# KiCad board DIP8breakout+potToUSB.kicad_pcb (continued)
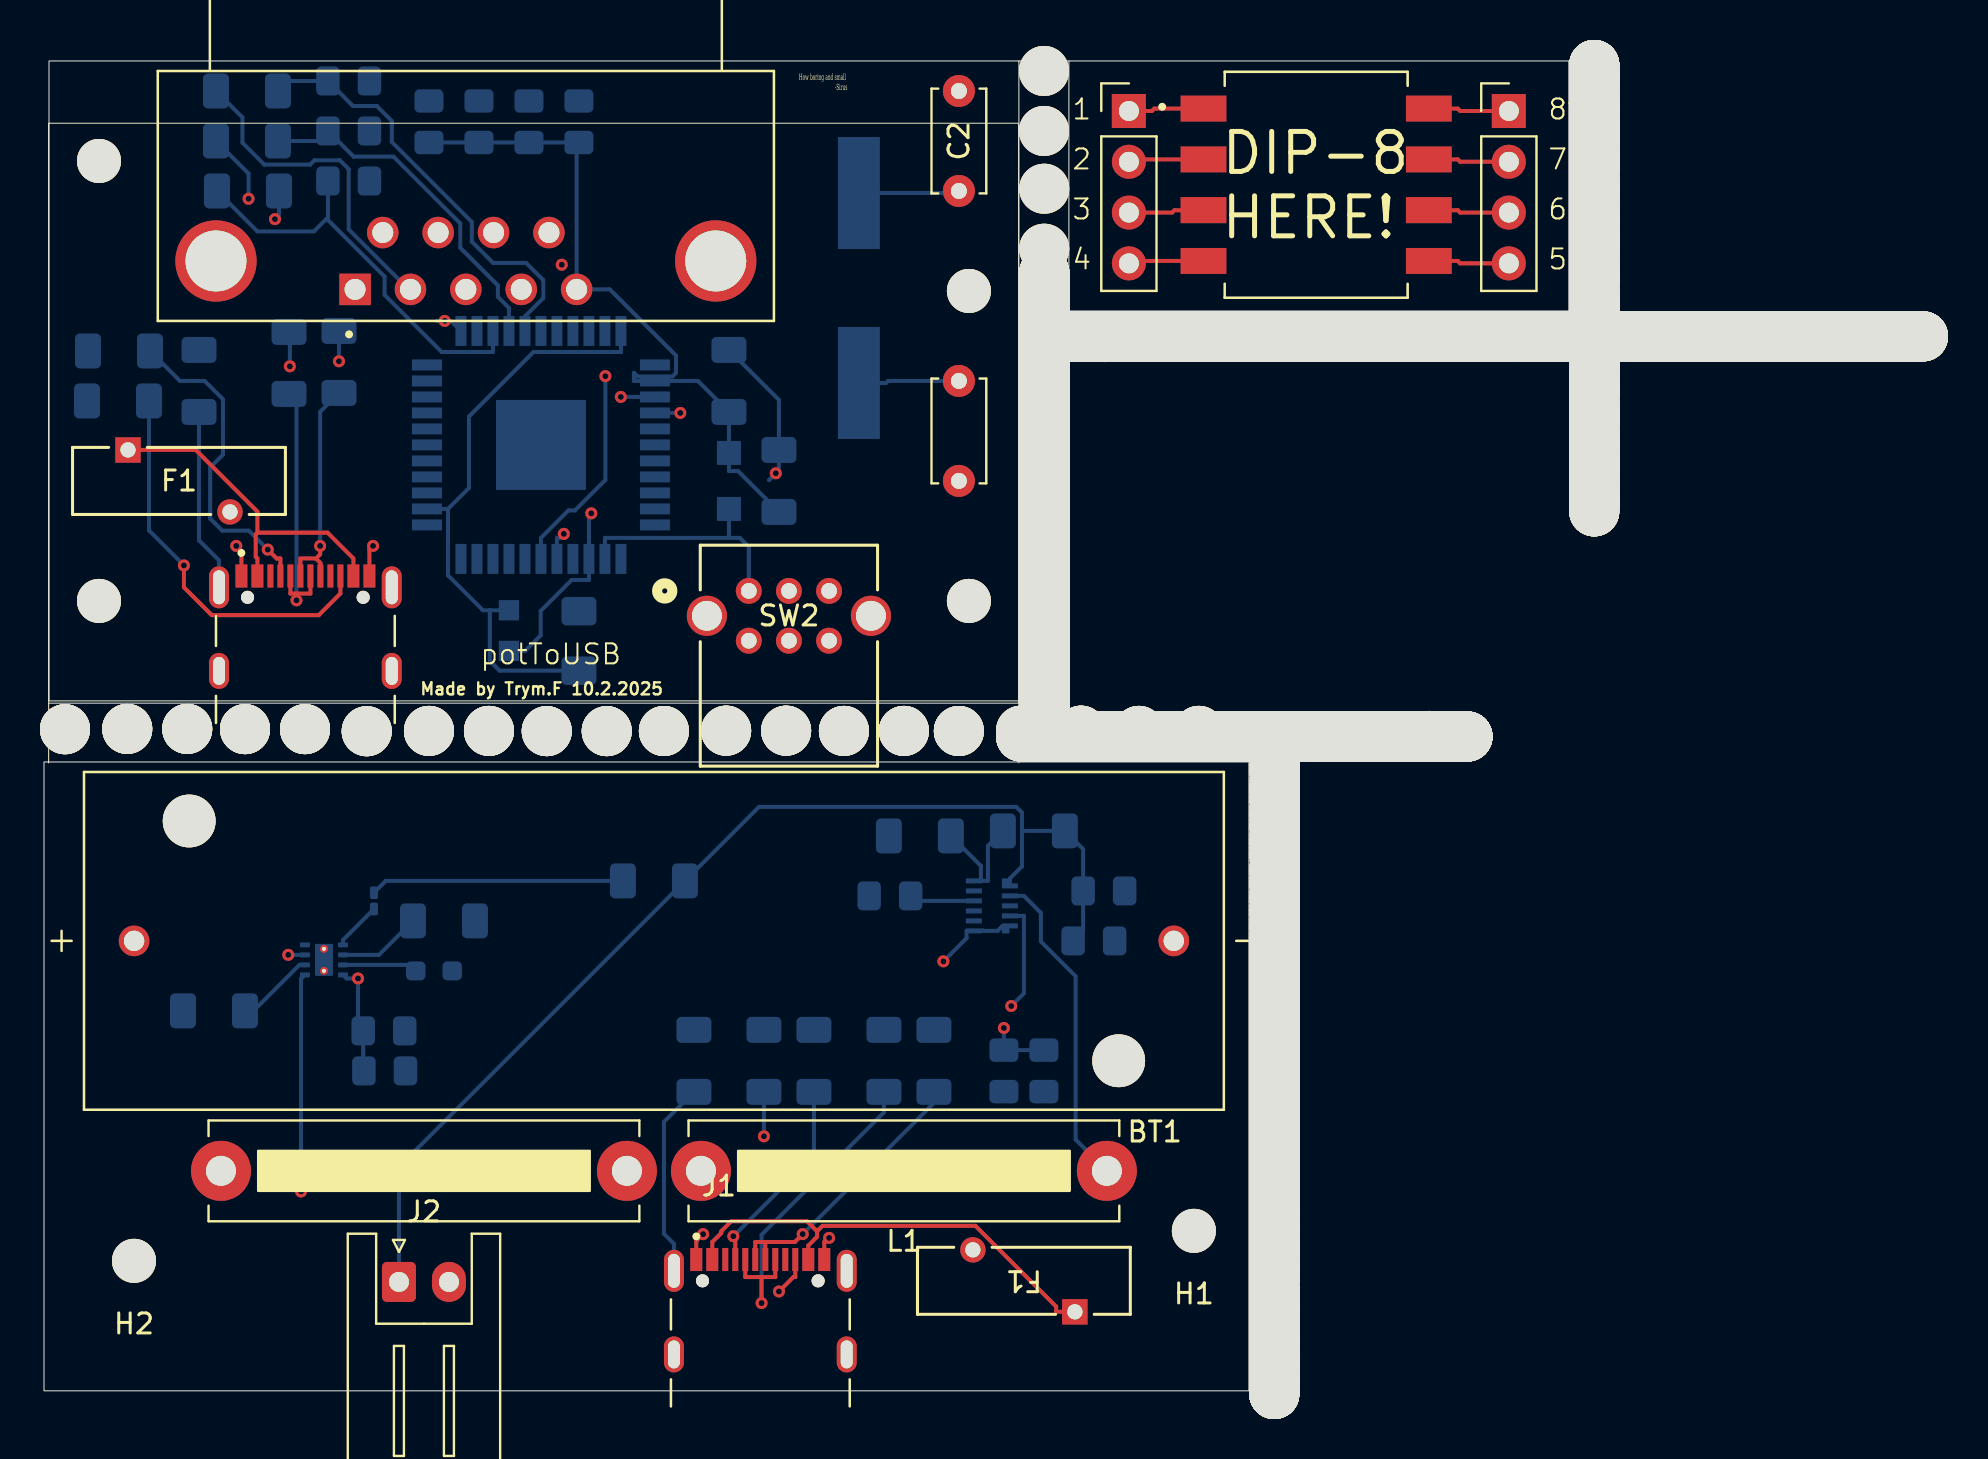
[diagram p0: board, top side]
## Placement (name value [footprint] x y rotation side) (continued)
NOREF#1643  -  [unnamed]  58.52 32.72 0 top
NOREF#1644  -  [unnamed]  71.38 52.73 180 top
NOREF#1645  -  [unnamed]  75.26 52.73 180 top
NOREF#1646  -  [unnamed]  61.55 13.23 90 top
NOREF#1647  -  [unnamed]  77.52 61.54 90 top
NOREF#1648  -  [unnamed]  61.52 12.7 270 top
NOREF#1649  -  [unnamed]  86.52 52.73 180 top
NOREF#1650  -  [unnamed]  88.74 52.73 180 top
NOREF#1651  -  [unnamed]  51.78 52.73 180 top
NOREF#1652  -  [unnamed]  67.82 32.72 0 top
NOREF#1653  -  [unnamed]  61.52 1.24 270 top
NOREF#1654  -  [unnamed]  88.12 52.73 180 top
NOREF#1655  -  [unnamed]  50.02 49.87 90 top
NOREF#1656  -  [unnamed]  76.66 52.73 180 top
NOREF#1657  -  [unnamed]  77.52 57.04 90 top
NOREF#1658  -  [unnamed]  74.6 52.73 180 top
NOREF#1659  -  [unnamed]  61.55 18.41 90 top
NOREF#1660  -  [unnamed]  64.64 52.73 180 top
NOREF#1661  -  [unnamed]  77.48 52.73 180 top
NOREF#1662  -  [unnamed]  61.52 19.9 270 top
NOREF#1663  -  [unnamed]  50.02 50.27 90 top
NOREF#1664  -  [unnamed]  77.52 52.58 90 top
NOREF#1665  -  [unnamed]  77.52 52.58 90 top
NOREF#1666  -  [unnamed]  92.7 52.73 180 top
NOREF#1667  -  [unnamed]  61.55 24.03 90 top
NOREF#1668  -  [unnamed]  61.52 0.9 270 top
NOREF#1669  -  [unnamed]  73.24 52.73 180 top
NOREF#1670  -  [unnamed]  82.3 52.73 180 top
NOREF#1671  -  [unnamed]  71.84 52.73 180 top
NOREF#1672  -  [unnamed]  73.44 52.73 180 top
NOREF#1673  -  [unnamed]  77.52 61.28 90 top
NOREF#1674  -  [unnamed]  50.02 50.89 90 top
NOREF#1675  -  [unnamed]  77.52 62.48 90 top
NOREF#1676  -  [unnamed]  88.94 52.73 180 top
NOREF#1677  -  [unnamed]  50.02 37.41 90 top
NOREF#1678  -  [unnamed]  77.52 63.14 90 top
NOREF#1679  -  [unnamed]  69.12 32.72 0 top
NOREF#1680  -  [unnamed]  61.52 1.44 270 top
NOREF#1681  -  [unnamed]  68.42 52.73 180 top
NOREF#1682  -  [unnamed]  57.66 32.72 0 top
NOREF#1683  -  [unnamed]  87.46 52.73 180 top
NOREF#1684  -  [unnamed]  92.9 52.73 180 top
NOREF#1685  -  [unnamed]  61.55 13.23 90 top
NOREF#1686  -  [unnamed]  61.52 7.08 270 top
NOREF#1687  -  [unnamed]  61.92 32.72 0 top
NOREF#1688  -  [unnamed]  61.55 30.33 90 top
NOREF#1689  -  [unnamed]  65.54 32.72 0 top
NOREF#1690  -  [unnamed]  61.55 31.07 90 top
NOREF#1691  -  [unnamed]  75.46 52.73 180 top
NOREF#1692  -  [unnamed]  61.52 10.7 270 top
NOREF#1693  -  [unnamed]  69.58 32.72 0 top
NOREF#1694  -  [unnamed]  61.55 20.67 90 top
NOREF#1695  -  [unnamed]  61.55 24.03 90 top
NOREF#1696  -  [unnamed]  82.04 52.73 180 top
NOREF#1697  -  [unnamed]  61.55 16.85 90 top
NOREF#1698  -  [unnamed]  61.58 52.73 180 top
NOREF#1699  -  [unnamed]  61.52 8.9 270 top
NOREF#1700  -  [unnamed]  61.52 2.1 270 top
NOREF#1701  -  [unnamed]  61.52 9.84 270 top
NOREF#1702  -  [unnamed]  62.58 32.72 0 top
NOREF#1703  -  [unnamed]  66.74 52.73 180 top
NOREF#1704  -  [unnamed]  77.52 63.84 90 top
NOREF#1705  -  [unnamed]  63.98 52.73 180 top
NOREF#1706  -  [unnamed]  77.52 54.18 90 top
NOREF#1707  -  [unnamed]  69.58 32.72 0 top
NOREF#1708  -  [unnamed]  87.92 52.73 180 top
NOREF#1709  -  [unnamed]  77.52 49.2 90 top
NOREF#1710  -  [unnamed]  48.86 32.72 0 top
NOREF#1711  -  [unnamed]  56.1 32.72 0 top
NOREF#1712  -  [unnamed]  50.02 44.45 90 top
NOREF#1713  -  [unnamed]  75.8 52.73 180 top
NOREF#1714  -  [unnamed]  61.52 4.4 270 top
NOREF#1715  -  [unnamed]  61.55 17.71 90 top
NOREF#1716  -  [unnamed]  50.02 33.99 90 top
NOREF#1717  -  [unnamed]  80.04 52.73 180 top
NOREF#1718  -  [unnamed]  77.52 62.68 90 top
NOREF#1719  -  [unnamed]  50.02 43.79 90 top
NOREF#1720  -  [unnamed]  84.5 52.73 180 top
NOREF#1721  -  [unnamed]  50.02 35.19 90 top
NOREF#1722  -  [unnamed]  77.52 46.94 90 top
NOREF#1723  -  [unnamed]  62.58 52.73 180 top
NOREF#1724  -  [unnamed]  61.52 11.5 270 top
NOREF#1725  -  [unnamed]  50.02 45.91 90 top
NOREF#1726  -  [unnamed]  58.16 52.73 180 top
NOREF#1727  -  [unnamed]  65.34 32.72 0 top
NOREF#1728  -  [unnamed]  77.52 53.64 90 top
NOREF#1729  -  [unnamed]  61.55 23.33 90 top
NOREF#1730  -  [unnamed]  61.55 28.31 90 top
NOREF#1731  -  [unnamed]  77.52 57.04 90 top
NOREF#1732  -  [unnamed]  54.74 52.73 180 top
NOREF#1733  -  [unnamed]  61.55 16.85 90 top
NOREF#1734  -  [unnamed]  50.02 41.29 90 top
NOREF#1735  -  [unnamed]  84.5 52.73 180 top
NOREF#1736  -  [unnamed]  61.52 21.1 270 top
NOREF#1737  -  [unnamed]  77.52 62.28 90 top
NOREF#1738  -  [unnamed]  74.8 52.73 180 top
NOREF#1739  -  [unnamed]  61.52 15.46 270 top
NOREF#1740  -  [unnamed]  82.9 52.73 180 top
NOREF#1741  -  [unnamed]  50.02 48.87 90 top
NOREF#1742  -  [unnamed]  54.9 32.72 0 top
NOREF#1743  -  [unnamed]  77.52 61.94 90 top
NOREF#1744  -  [unnamed]  67.82 32.72 0 top
NOREF#1745  -  [unnamed]  90.34 52.73 180 top
NOREF#1746  -  [unnamed]  61.55 10.27 90 top
NOREF#1747  -  [unnamed]  50.02 51.15 90 top
NOREF#1748  -  [unnamed]  77.52 52.08 90 top
NOREF#1749  -  [unnamed]  58.56 52.73 180 top
NOREF#1750  -  [unnamed]  50.02 47.11 90 top
NOREF#1751  -  [unnamed]  63.94 32.72 0 top
NOREF#1752  -  [unnamed]  85.86 52.73 180 top
NOREF#1753  -  [unnamed]  50.02 48.01 90 top
NOREF#1754  -  [unnamed]  50.02 52.09 90 top
NOREF#1755  -  [unnamed]  77.52 50.88 90 top
NOREF#1756  -  [unnamed]  50.02 51.55 90 top
NOREF#1757  -  [unnamed]  81.1 52.73 180 top
NOREF#1758  -  [unnamed]  61.52 19.2 270 top
NOREF#1759  -  [unnamed]  60.78 32.72 0 top
NOREF#1760  -  [unnamed]  77.52 45.24 90 top
NOREF#1761  -  [unnamed]  50.66 32.72 0 top
NOREF#1762  -  [unnamed]  64.18 52.73 180 top
NOREF#1763  -  [unnamed]  67.6 52.73 180 top
NOREF#1764  -  [unnamed]  73.04 52.73 180 top
NOREF#1765  -  [unnamed]  76.66 52.73 180 top
NOREF#1766  -  [unnamed]  61.52 14.72 270 top
NOREF#1767  -  [unnamed]  61.55 30.33 90 top
NOREF#1768  -  [unnamed]  58.86 32.72 0 top
NOREF#1769  -  [unnamed]  70.02 52.73 180 top
NOREF#1770  -  [unnamed]  61.52 1.64 270 top
NOREF#1771  -  [unnamed]  77.52 61.94 90 top
NOREF#1772  -  [unnamed]  61.18 32.72 0 top
NOREF#1773  -  [unnamed]  77.52 58.66 90 top
NOREF#1774  -  [unnamed]  49.92 32.72 0 top
NOREF#1775  -  [unnamed]  63.08 32.72 0 top
NOREF#1776  -  [unnamed]  53.42 32.72 0 top
NOREF#1777  -  [unnamed]  61.55 10.21 90 top
NOREF#1778  -  [unnamed]  50.02 43.59 90 top
NOREF#1779  -  [unnamed]  65.76 32.72 0 top
NOREF#1780  -  [unnamed]  61.52 4.86 270 top
NOREF#1781  -  [unnamed]  61.55 22.67 90 top
NOREF#1782  -  [unnamed]  50.02 51.55 90 top
NOREF#1783  -  [unnamed]  77.52 62.88 90 top
NOREF#1784  -  [unnamed]  63.98 52.73 180 top
NOREF#1785  -  [unnamed]  51.12 52.73 180 top
NOREF#1786  -  [unnamed]  61.52 4.2 270 top
NOREF#1787  -  [unnamed]  60.32 32.72 0 top
NOREF#1788  -  [unnamed]  50.02 39.89 90 top
NOREF#1789  -  [unnamed]  77.52 56.64 90 top
NOREF#1790  -  [unnamed]  61.52 2.1 270 top
NOREF#1791  -  [unnamed]  58.36 52.73 180 top
NOREF#1792  -  [unnamed]  61.52 10.3 270 top
NOREF#1793  -  [unnamed]  50.02 39.63 90 top
NOREF#1794  -  [unnamed]  52.02 32.72 0 top
NOREF#1795  -  [unnamed]  57.86 32.72 0 top
NOREF#1796  -  [unnamed]  69.12 32.72 0 top
NOREF#1797  -  [unnamed]  71.84 52.73 180 top
NOREF#1798  -  [unnamed]  61.92 32.72 0 top
NOREF#1799  -  [unnamed]  68.22 32.72 0 top
NOREF#1800  -  [unnamed]  61.52 5.48 270 top
NOREF#1801  -  [unnamed]  61.55 28.31 90 top
NOREF#1802  -  [unnamed]  50.02 46.65 90 top
NOREF#1803  -  [unnamed]  77.52 50.22 90 top
NOREF#1804  -  [unnamed]  61.52 9.3 270 top
NOREF#1805  -  [unnamed]  50.02 50.69 90 top
NOREF#1806  -  [unnamed]  61.52 16.94 270 top
NOREF#1807  -  [unnamed]  61.52 10.24 270 top
NOREF#1808  -  [unnamed]  70.78 32.72 0 top
NOREF#1809  -  [unnamed]  50.02 38.35 90 top
NOREF#1810  -  [unnamed]  50.02 44.45 90 top
NOREF#1811  -  [unnamed]  77.52 58.86 90 top
NOREF#1812  -  [unnamed]  52.52 52.73 180 top
NOREF#1813  -  [unnamed]  64.84 52.73 180 top
NOREF#1814  -  [unnamed]  61.55 24.03 90 top
NOREF#1815  -  [unnamed]  78.68 52.73 180 top
NOREF#1816  -  [unnamed]  54.08 32.72 0 top
NOREF#1817  -  [unnamed]  71.84 52.73 180 top
NOREF#1818  -  [unnamed]  61.52 10.5 270 top
NOREF#1819  -  [unnamed]  61.52 21.76 270 top
NOREF#1820  -  [unnamed]  57.16 52.73 180 top
NOREF#1821  -  [unnamed]  50.02 39.01 90 top
NOREF#1822  -  [unnamed]  77.52 66.3 90 top
NOREF#1823  -  [unnamed]  50.02 34.85 90 top
NOREF#1824  -  [unnamed]  61.55 24.69 90 top
NOREF#1825  -  [unnamed]  77.52 44.18 90 top
NOREF#1826  -  [unnamed]  57.66 32.72 0 top
NOREF#1827  -  [unnamed]  77.52 63.14 90 top
NOREF#1828  -  [unnamed]  50.02 54.31 90 top
NOREF#1829  -  [unnamed]  77.52 60.46 90 top
NOREF#1830  -  [unnamed]  54.9 32.72 0 top
NOREF#1831  -  [unnamed]  93.56 52.73 180 top
NOREF#1832  -  [unnamed]  54.08 32.72 0 top
NOREF#1833  -  [unnamed]  77.52 62.48 90 top
NOREF#1834  -  [unnamed]  50.02 37.21 90 top
NOREF#1835  -  [unnamed]  61.55 16.11 90 top
NOREF#1836  -  [unnamed]  81.84 52.73 180 top
NOREF#1837  -  [unnamed]  77.52 64.7 90 top
NOREF#1838  -  [unnamed]  50.02 34.25 90 top
NOREF#1839  -  [unnamed]  50.02 41.49 90 top
NOREF#1840  -  [unnamed]  61.55 12.07 90 top
NOREF#1841  -  [unnamed]  91.7 52.73 180 top
NOREF#1842  -  [unnamed]  64.68 32.72 0 top
NOREF#1843  -  [unnamed]  77.52 50.68 90 top
NOREF#1844  -  [unnamed]  61.55 16.31 90 top
NOREF#1845  -  [unnamed]  61.52 19 270 top
NOREF#1846  -  [unnamed]  61.52 16.32 270 top
NOREF#1847  -  [unnamed]  61.55 22.67 90 top
NOREF#1848  -  [unnamed]  71.18 52.73 180 top
NOREF#1849  -  [unnamed]  77.52 63.54 90 top
NOREF#1850  -  [unnamed]  61.55 21.53 90 top
NOREF#1851  -  [unnamed]  67.4 52.73 180 top
NOREF#1852  -  [unnamed]  83.3 52.73 180 top
NOREF#1853  -  [unnamed]  50.02 46.65 90 top
NOREF#1854  -  [unnamed]  77.52 65.9 90 top
NOREF#1855  -  [unnamed]  61.52 14.06 270 top
NOREF#1856  -  [unnamed]  59.72 52.73 180 top
NOREF#1857  -  [unnamed]  76.46 52.73 180 top
NOREF#1858  -  [unnamed]  53.88 32.72 0 top
NOREF#1859  -  [unnamed]  57.46 32.72 0 top
NOREF#1860  -  [unnamed]  55.56 32.72 0 top
NOREF#1861  -  [unnamed]  77.52 44.84 90 top
NOREF#1862  -  [unnamed]  71.64 52.73 180 top
NOREF#1863  -  [unnamed]  61.52 1.64 270 top
NOREF#1864  -  [unnamed]  61.55 15.85 90 top
NOREF#1865  -  [unnamed]  61.52 2.8 270 top
NOREF#1866  -  [unnamed]  61.52 14.92 270 top
NOREF#1867  -  [unnamed]  86.52 52.73 180 top
NOREF#1868  -  [unnamed]  56.1 32.72 0 top
NOREF#1869  -  [unnamed]  58.86 32.72 0 top
NOREF#1870  -  [unnamed]  61.55 26.09 90 top
NOREF#1871  -  [unnamed]  82.9 52.73 180 top
NOREF#1872  -  [unnamed]  50.02 38.41 90 top
NOREF#1873  -  [unnamed]  67.02 32.72 0 top
NOREF#1874  -  [unnamed]  61.52 19.9 270 top
NOREF#1875  -  [unnamed]  73.24 52.73 180 top
NOREF#1876  -  [unnamed]  50.02 54.85 90 top
NOREF#1877  -  [unnamed]  88.32 52.73 180 top
NOREF#1878  -  [unnamed]  61.55 25.89 90 top
NOREF#1879  -  [unnamed]  77.52 62.48 90 top
NOREF#1880  -  [unnamed]  61.55 20.47 90 top
NOREF#1881  -  [unnamed]  81.1 52.73 180 top
NOREF#1882  -  [unnamed]  61.55 14.83 90 top
NOREF#1883  -  [unnamed]  62.58 52.73 180 top
NOREF#1884  -  [unnamed]  77.52 50.68 90 top
NOREF#1885  -  [unnamed]  77.52 44.38 90 top
NOREF#1886  -  [unnamed]  61.55 12.07 90 top
NOREF#1887  -  [unnamed]  77.52 54.38 90 top
NOREF#1888  -  [unnamed]  61.55 28.31 90 top
NOREF#1889  -  [unnamed]  50.02 45.91 90 top
NOREF#1890  -  [unnamed]  61.52 18.54 270 top
NOREF#1891  -  [unnamed]  90.14 52.73 180 top
NOREF#1892  -  [unnamed]  50.02 41.89 90 top
NOREF#1893  -  [unnamed]  61.52 20.16 270 top
NOREF#1894  -  [unnamed]  61.52 14.26 270 top
NOREF#1895  -  [unnamed]  51.32 52.73 180 top
NOREF#1896  -  [unnamed]  57.42 52.73 180 top
NOREF#1897  -  [unnamed]  77.52 61.48 90 top
NOREF#1898  -  [unnamed]  77.52 58.2 90 top
NOREF#1899  -  [unnamed]  50.02 54.11 90 top
NOREF#1900  -  [unnamed]  61.55 24.03 90 top
NOREF#1901  -  [unnamed]  52.22 32.72 0 top
NOREF#1902  -  [unnamed]  77.52 60.88 90 top
NOREF#1903  -  [unnamed]  61.55 15.45 90 top
NOREF#1904  -  [unnamed]  56.3 32.72 0 top
NOREF#1905  -  [unnamed]  61.52 6.14 270 top
NOREF#1906  -  [unnamed]  77.52 52.78 90 top
NOREF#1907  -  [unnamed]  61.52 16.74 270 top
NOREF#1908  -  [unnamed]  93.36 52.73 180 top
NOREF#1909  -  [unnamed]  51.62 32.72 0 top
NOREF#1910  -  [unnamed]  50.12 32.72 0 top
NOREF#1911  -  [unnamed]  76.46 52.73 180 top
NOREF#1912  -  [unnamed]  61.52 2.6 270 top
NOREF#1913  -  [unnamed]  64.68 32.72 0 top
NOREF#1914  -  [unnamed]  61.55 16.31 90 top
NOREF#1915  -  [unnamed]  50.02 44.65 90 top
NOREF#1916  -  [unnamed]  50.02 51.55 90 top
NOREF#1917  -  [unnamed]  53.62 32.72 0 top
NOREF#1918  -  [unnamed]  89.6 52.73 180 top
NOREF#1919  -  [unnamed]  61.55 11.41 90 top
NOREF#1920  -  [unnamed]  53.88 52.73 180 top
NOREF#1921  -  [unnamed]  50.02 53.65 90 top
NOREF#1922  -  [unnamed]  70.98 32.72 0 top
NOREF#1923  -  [unnamed]  77.52 46.94 90 top
NOREF#1924  -  [unnamed]  77.52 50.68 90 top
NOREF#1925  -  [unnamed]  77.52 58.86 90 top
NOREF#1926  -  [unnamed]  61.52 5.68 270 top
NOREF#1927  -  [unnamed]  61.55 22.47 90 top
NOREF#1928  -  [unnamed]  50.02 35.85 90 top
NOREF#1929  -  [unnamed]  61.55 31.73 90 top
NOREF#1930  -  [unnamed]  61.55 19.27 90 top
NOREF#1931  -  [unnamed]  59.06 32.72 0 top
NOREF#1932  -  [unnamed]  61.52 11.96 270 top
NOREF#1933  -  [unnamed]  50.02 53.15 90 top
NOREF#1934  -  [unnamed]  50.02 35.39 90 top
NOREF#1935  -  [unnamed]  49.92 32.72 0 top
NOREF#1936  -  [unnamed]  74.4 52.73 180 top
NOREF#1937  -  [unnamed]  66.82 32.72 0 top
NOREF#1938  -  [unnamed]  83.76 52.73 180 top
NOREF#1939  -  [unnamed]  61.92 32.72 0 top
NOREF#1940  -  [unnamed]  61.55 12.97 90 top
NOREF#1941  -  [unnamed]  89.6 52.73 180 top
NOREF#1942  -  [unnamed]  70.28 52.73 180 top
NOREF#1943  -  [unnamed]  77.52 62.48 90 top
NOREF#1944  -  [unnamed]  68.42 52.73 180 top
NOREF#1945  -  [unnamed]  61.52 18.34 270 top
NOREF#1946  -  [unnamed]  50.02 38.81 90 top
NOREF#1947  -  [unnamed]  66.62 32.72 0 top
NOREF#1948  -  [unnamed]  61.55 18.41 90 top
NOREF#1949  -  [unnamed]  50.02 43.05 90 top
NOREF#1950  -  [unnamed]  77.52 55.04 90 top
NOREF#1951  -  [unnamed]  77.52 61.94 90 top
NOREF#1952  -  [unnamed]  61.52 1.64 270 top
NOREF#1953  -  [unnamed]  71.84 52.73 180 top
NOREF#1954  -  [unnamed]  72.5 52.73 180 top
NOREF#1955  -  [unnamed]  59.02 52.73 180 top
NOREF#1956  -  [unnamed]  61.55 14.37 90 top
NOREF#1957  -  [unnamed]  77.52 57.5 90 top
NOREF#1958  -  [unnamed]  61.52 8.64 270 top
NOREF#1959  -  [unnamed]  50.02 52.95 90 top
NOREF#1960  -  [unnamed]  61.52 4.66 270 top
NOREF#1961  -  [unnamed]  85.16 52.73 180 top
NOREF#1962  -  [unnamed]  77.52 44.58 90 top
NOREF#1963  -  [unnamed]  50.02 34.19 90 top
NOREF#1964  -  [unnamed]  61.55 16.51 90 top
NOREF#1965  -  [unnamed]  82.5 52.73 180 top
NOREF#1966  -  [unnamed]  87.66 52.73 180 top
NOREF#1967  -  [unnamed]  61.52 8.64 270 top
NOREF#1968  -  [unnamed]  50.02 33.99 90 top
NOREF#1969  -  [unnamed]  61.55 20.67 90 top
NOREF#1970  -  [unnamed]  55.36 32.72 0 top
NOREF#1971  -  [unnamed]  91.5 52.73 180 top
NOREF#1972  -  [unnamed]  61.55 26.91 90 top
NOREF#1973  -  [unnamed]  83.1 52.73 180 top
NOREF#1974  -  [unnamed]  58.12 32.72 0 top
NOREF#1975  -  [unnamed]  61.55 30.33 90 top
NOREF#1976  -  [unnamed]  91.5 52.73 180 top
NOREF#1977  -  [unnamed]  66.16 32.72 0 top
NOREF#1978  -  [unnamed]  79.08 52.73 180 top
NOREF#1979  -  [unnamed]  61.52 16.12 270 top
NOREF#1980  -  [unnamed]  51.32 32.72 0 top
NOREF#1981  -  [unnamed]  61.52 0.7 270 top
NOREF#1982  -  [unnamed]  61.52 19.2 270 top
NOREF#1983  -  [unnamed]  77.52 49.4 90 top
NOREF#1984  -  [unnamed]  61.52 0.24 270 top
NOREF#1985  -  [unnamed]  50.02 52.29 90 top
NOREF#1986  -  [unnamed]  61.12 52.73 180 top
NOREF#1987  -  [unnamed]  50.02 38.61 90 top
NOREF#1988  -  [unnamed]  49.06 32.72 0 top
NOREF#1989  -  [unnamed]  61.52 16.12 270 top
NOREF#1990  -  [unnamed]  61.52 0.5 270 top
NOREF#1991  -  [unnamed]  70.12 32.72 0 top
NOREF#1992  -  [unnamed]  84.96 52.73 180 top
NOREF#1993  -  [unnamed]  62.58 32.72 0 top
NOREF#1994  -  [unnamed]  61.55 16.85 90 top
NOREF#1995  -  [unnamed]  80.7 52.73 180 top
NOREF#1996  -  [unnamed]  54.28 32.72 0 top
NOREF#1997  -  [unnamed]  68.72 32.72 0 top
NOREF#1998  -  [unnamed]  77.52 65.44 90 top
NOREF#1999  -  [unnamed]  80.9 52.73 180 top
NOREF#2000  -  [unnamed]  70.78 32.72 0 top
NOREF#2001  -  [unnamed]  76 52.73 180 top
NOREF#2002  -  [unnamed]  50.02 40.09 90 top
NOREF#2003  -  [unnamed]  61.55 31.07 90 top
NOREF#2004  -  [unnamed]  55.48 52.73 180 top
NOREF#2005  -  [unnamed]  85.86 52.73 180 top
NOREF#2006  -  [unnamed]  65.8 52.73 180 top
NOREF#2007  -  [unnamed]  61.52 4 270 top
NOREF#2008  -  [unnamed]  61.55 14.17 90 top
NOREF#2009  -  [unnamed]  61.55 26.71 90 top
NOREF#2010  -  [unnamed]  50.02 48.67 90 top
NOREF#2011  -  [unnamed]  86.72 52.73 180 top
NOREF#2012  -  [unnamed]  61.55 12.07 90 top
NOREF#2013  -  [unnamed]  61.52 7.74 270 top
NOREF#2014  -  [unnamed]  62.38 32.72 0 top
NOREF#2015  -  [unnamed]  61.55 28.11 90 top
NOREF#2016  -  [unnamed]  77.52 44.84 90 top
NOREF#2017  -  [unnamed]  50.02 43.39 90 top
NOREF#2018  -  [unnamed]  52.92 52.73 180 top
NOREF#2019  -  [unnamed]  61.55 11.21 90 top
NOREF#2020  -  [unnamed]  64.18 52.73 180 top
NOREF#2021  -  [unnamed]  50.02 54.31 90 top
NOREF#2022  -  [unnamed]  50.02 41.49 90 top
NOREF#2023  -  [unnamed]  50.02 33.99 90 top
NOREF#2024  -  [unnamed]  61.52 5.68 270 top
NOREF#2025  -  [unnamed]  77.52 54.38 90 top
NOREF#2026  -  [unnamed]  50.02 41.03 90 top
NOREF#2027  -  [unnamed]  50.02 41.03 90 top
NOREF#2028  -  [unnamed]  61.52 5.68 270 top
NOREF#2029  -  [unnamed]  66.94 52.73 180 top
NOREF#2030  -  [unnamed]  52.72 52.73 180 top
NOREF#2031  -  [unnamed]  50.02 41.69 90 top
NOREF#2032  -  [unnamed]  84.5 52.73 180 top
NOREF#2033  -  [unnamed]  61.52 3.66 270 top
NOREF#2034  -  [unnamed]  80.44 52.73 180 top
NOREF#2035  -  [unnamed]  50.66 32.72 0 top
NOREF#2036  -  [unnamed]  50.02 55.05 90 top
NOREF#2037  -  [unnamed]  67.56 32.72 0 top
NOREF#2038  -  [unnamed]  50.02 49.21 90 top
NOREF#2039  -  [unnamed]  70.98 32.72 0 top
NOREF#2040  -  [unnamed]  61.52 14.06 270 top
NOREF#2041  -  [unnamed]  60.18 52.73 180 top
NOREF#2042  -  [unnamed]  61.55 15.45 90 top
NOREF#2043  -  [unnamed]  61.55 16.85 90 top
NOREF#2044  -  [unnamed]  68.02 32.72 0 top
NOREF#2045  -  [unnamed]  71.84 52.73 180 top
NOREF#2046  -  [unnamed]  77.52 59.06 90 top
NOREF#2047  -  [unnamed]  77.52 60.26 90 top
NOREF#2048  -  [unnamed]  60.98 32.72 0 top
NOREF#2049  -  [unnamed]  50.02 44.25 90 top
NOREF#2050  -  [unnamed]  72.5 52.73 180 top
NOREF#2051  -  [unnamed]  50.02 49.21 90 top
NOREF#2052  -  [unnamed]  53.38 52.73 180 top
NOREF#2053  -  [unnamed]  88.12 52.73 180 top
NOREF#2054  -  [unnamed]  91.5 52.73 180 top
NOREF#2055  -  [unnamed]  50.02 44.25 90 top
NOREF#2056  -  [unnamed]  61.55 10.01 90 top
NOREF#2057  -  [unnamed]  61.52 16.52 270 top
NOREF#2058  -  [unnamed]  67.56 32.72 0 top
NOREF#2059  -  [unnamed]  50.02 42.39 90 top
NOREF#2060  -  [unnamed]  83.76 52.73 180 top
NOREF#2061  -  [unnamed]  77.52 60.06 90 top
NOREF#2062  -  [unnamed]  77.52 53.98 90 top
NOREF#2063  -  [unnamed]  77.52 55.84 90 top
NOREF#2064  -  [unnamed]  61.55 12.07 90 top
NOREF#2065  -  [unnamed]  61.55 21.27 90 top
NOREF#2066  -  [unnamed]  58.36 52.73 180 top
NOREF#2067  -  [unnamed]  61.55 10.01 90 top
NOREF#2068  -  [unnamed]  61.55 17.51 90 top
NOREF#2069  -  [unnamed]  77.52 58.6 90 top
NOREF#2070  -  [unnamed]  61.55 24.03 90 top
NOREF#2071  -  [unnamed]  63.94 32.72 0 top
NOREF#2072  -  [unnamed]  77.52 61.28 90 top
NOREF#2073  -  [unnamed]  61.52 17.4 270 top
NOREF#2074  -  [unnamed]  51.52 52.73 180 top
NOREF#2075  -  [unnamed]  77.52 63.14 90 top
NOREF#2076  -  [unnamed]  88.74 52.73 180 top
NOREF#2077  -  [unnamed]  50.02 38.81 90 top
NOREF#2078  -  [unnamed]  61.52 10.04 270 top
NOREF#2079  -  [unnamed]  54.9 32.72 0 top
NOREF#2080  -  [unnamed]  61.78 52.73 180 top
NOREF#2081  -  [unnamed]  86.32 52.73 180 top
NOREF#2082  -  [unnamed]  61.52 11.3 270 top
NOREF#2083  -  [unnamed]  61.18 32.72 0 top
NOREF#2084  -  [unnamed]  61.52 7.54 270 top
NOREF#2085  -  [unnamed]  91.7 52.73 180 top
NOREF#2086  -  [unnamed]  66.54 52.73 180 top
NOREF#2087  -  [unnamed]  61.52 12.5 270 top
NOREF#2088  -  [unnamed]  90.14 52.73 180 top
NOREF#2089  -  [unnamed]  61.52 -0.16 270 top
NOREF#2090  -  [unnamed]  61.55 14.37 90 top
NOREF#2091  -  [unnamed]  77.52 58.4 90 top
NOREF#2092  -  [unnamed]  61.55 24.03 90 top
NOREF#2093  -  [unnamed]  53.58 52.73 180 top
NOREF#2094  -  [unnamed]  61.52 6.14 270 top
NOREF#2095  -  [unnamed]  61.52 18.8 270 top
NOREF#2096  -  [unnamed]  61.55 20.27 90 top
NOREF#2097  -  [unnamed]  50.02 55.71 90 top
NOREF#2098  -  [unnamed]  61.52 0.24 270 top
NOREF#2099  -  [unnamed]  61.55 20.87 90 top
NOREF#2100  -  [unnamed]  82.3 52.73 180 top
NOREF#2101  -  [unnamed]  89.2 52.73 180 top
NOREF#2102  -  [unnamed]  50.02 54.31 90 top
NOREF#2103  -  [unnamed]  61.52 7.74 270 top
NOREF#2104  -  [unnamed]  82.5 52.73 180 top
NOREF#2105  -  [unnamed]  84.5 52.73 180 top
NOREF#2106  -  [unnamed]  72.18 52.73 180 top
NOREF#2107  -  [unnamed]  61.55 21.07 90 top
NOREF#2108  -  [unnamed]  54.28 52.73 180 top
NOREF#2109  -  [unnamed]  58.12 32.72 0 top
NOREF#2110  -  [unnamed]  50.02 44.45 90 top
NOREF#2111  -  [unnamed]  87.26 52.73 180 top
NOREF#2112  -  [unnamed]  62.78 32.72 0 top
NOREF#2113  -  [unnamed]  60.32 32.72 0 top
NOREF#2114  -  [unnamed]  49.52 32.72 0 top
NOREF#2115  -  [unnamed]  79.54 52.73 180 top
NOREF#2116  -  [unnamed]  61.52 20.36 270 top
NOREF#2117  -  [unnamed]  77.52 52.78 90 top
NOREF#2118  -  [unnamed]  61.55 23.33 90 top
NOREF#2119  -  [unnamed]  50.66 32.72 0 top
NOREF#2120  -  [unnamed]  61.52 16.74 270 top
NOREF#2121  -  [unnamed]  61.55 19.61 90 top
NOREF#2122  -  [unnamed]  59.72 52.73 180 top
NOREF#2123  -  [unnamed]  65.54 32.72 0 top
NOREF#2124  -  [unnamed]  61.52 13.86 270 top
NOREF#2125  -  [unnamed]  65.34 52.73 180 top
NOREF#2126  -  [unnamed]  50.02 45.91 90 top
NOREF#2127  -  [unnamed]  61.52 6.34 270 top
NOREF#2128  -  [unnamed]  66.94 52.73 180 top
NOREF#2129  -  [unnamed]  77.52 55.64 90 top
NOREF#2130  -  [unnamed]  61.52 1.64 270 top
NOREF#2131  -  [unnamed]  50.02 34.19 90 top
NOREF#2132  -  [unnamed]  77.52 49.4 90 top
NOREF#2133  -  [unnamed]  77.52 66.1 90 top
NOREF#2134  -  [unnamed]  61.55 25.23 90 top
NOREF#2135  -  [unnamed]  75.26 52.73 180 top
NOREF#2136  -  [unnamed]  49.92 32.72 0 top
NOREF#2137  -  [unnamed]  85.16 52.73 180 top
NOREF#2138  -  [unnamed]  77.52 49.4 90 top
NOREF#2139  -  [unnamed]  50.02 39.01 90 top
NOREF#2140  -  [unnamed]  77.52 59.6 90 top
NOREF#2141  -  [unnamed]  83.3 52.73 180 top
NOREF#2142  -  [unnamed]  61.55 28.51 90 top
NOREF#2143  -  [unnamed]  64.44 52.73 180 top
NOREF#2144  -  [unnamed]  66.62 32.72 0 top
NOREF#2145  -  [unnamed]  61.55 23.63 90 top
NOREF#2146  -  [unnamed]  61.55 29.17 90 top
NOREF#2147  -  [unnamed]  50.46 32.72 0 top
NOREF#2148  -  [unnamed]  77.52 65.04 90 top
NOREF#2149  -  [unnamed]  61.92 32.72 0 top
NOREF#2150  -  [unnamed]  56.14 52.73 180 top
NOREF#2151  -  [unnamed]  65.14 32.72 0 top
NOREF#2152  -  [unnamed]  50.12 32.72 0 top
NOREF#2153  -  [unnamed]  50.02 40.09 90 top
NOREF#2154  -  [unnamed]  77.52 46.24 90 top
NOREF#2155  -  [unnamed]  55.68 52.73 180 top
NOREF#2156  -  [unnamed]  61.52 19.2 270 top
NOREF#2157  -  [unnamed]  78.14 52.73 180 top
NOREF#2158  -  [unnamed]  61.52 10.7 270 top
NOREF#2159  -  [unnamed]  61.55 21.93 90 top
NOREF#2160  -  [unnamed]  60.32 32.72 0 top
NOREF#2161  -  [unnamed]  63.24 52.73 180 top
NOREF#2162  -  [unnamed]  70.32 32.72 0 top
NOREF#2163  -  [unnamed]  61.55 17.05 90 top
NOREF#2164  -  [unnamed]  77.52 51.42 90 top
NOREF#2165  -  [unnamed]  61.55 16.31 90 top
NOREF#2166  -  [unnamed]  74.4 52.73 180 top
NOREF#2167  -  [unnamed]  50.02 45.91 90 top
NOREF#2168  -  [unnamed]  77.52 46.94 90 top
NOREF#2169  -  [unnamed]  50.02 35.19 90 top
NOREF#2170  -  [unnamed]  61.55 12.07 90 top
NOREF#2171  -  [unnamed]  60.58 52.73 180 top
NOREF#2172  -  [unnamed]  63.28 32.72 0 top
NOREF#2173  -  [unnamed]  72.7 52.73 180 top
NOREF#2174  -  [unnamed]  77.52 65.24 90 top
NOREF#2175  -  [unnamed]  61.55 14.63 90 top
NOREF#2176  -  [unnamed]  61.55 25.23 90 top
NOREF#2177  -  [unnamed]  50.02 34.65 90 top
NOREF#2178  -  [unnamed]  77.52 64.04 90 top
NOREF#2179  -  [unnamed]  71.18 52.73 180 top
NOREF#2180  -  [unnamed]  61.55 14.63 90 top
NOREF#2181  -  [unnamed]  61.52 21.96 270 top
NOREF#2182  -  [unnamed]  68.92 32.72 0 top
NOREF#2183  -  [unnamed]  55.48 52.73 180 top
NOREF#2184  -  [unnamed]  77.52 63.34 90 top
NOREF#2185  -  [unnamed]  77.52 59.06 90 top
NOREF#2186  -  [unnamed]  61.55 15.85 90 top
NOREF#2187  -  [unnamed]  77.52 60 90 top
NOREF#2188  -  [unnamed]  61.72 32.72 0 top
NOREF#2189  -  [unnamed]  74.4 52.73 180 top
NOREF#2190  -  [unnamed]  61.52 17.8 270 top
NOREF#2191  -  [unnamed]  61.52 14.72 270 top
NOREF#2192  -  [unnamed]  73.9 52.73 180 top
NOREF#2193  -  [unnamed]  77.52 57.04 90 top
NOREF#2194  -  [unnamed]  90.8 52.73 180 top
NOREF#2195  -  [unnamed]  78.34 52.73 180 top